# Altium PCB LoraThu.PcbDoc
Units mm, origin at the board's own origin, x right, y up, seen from the top; angles counter-clockwise.
Board outline 138.05 x 66.93 mm, 2 copper layers (Top Layer, Bottom Layer); 11 components, 21 nets, 89 pads, 16 vias.
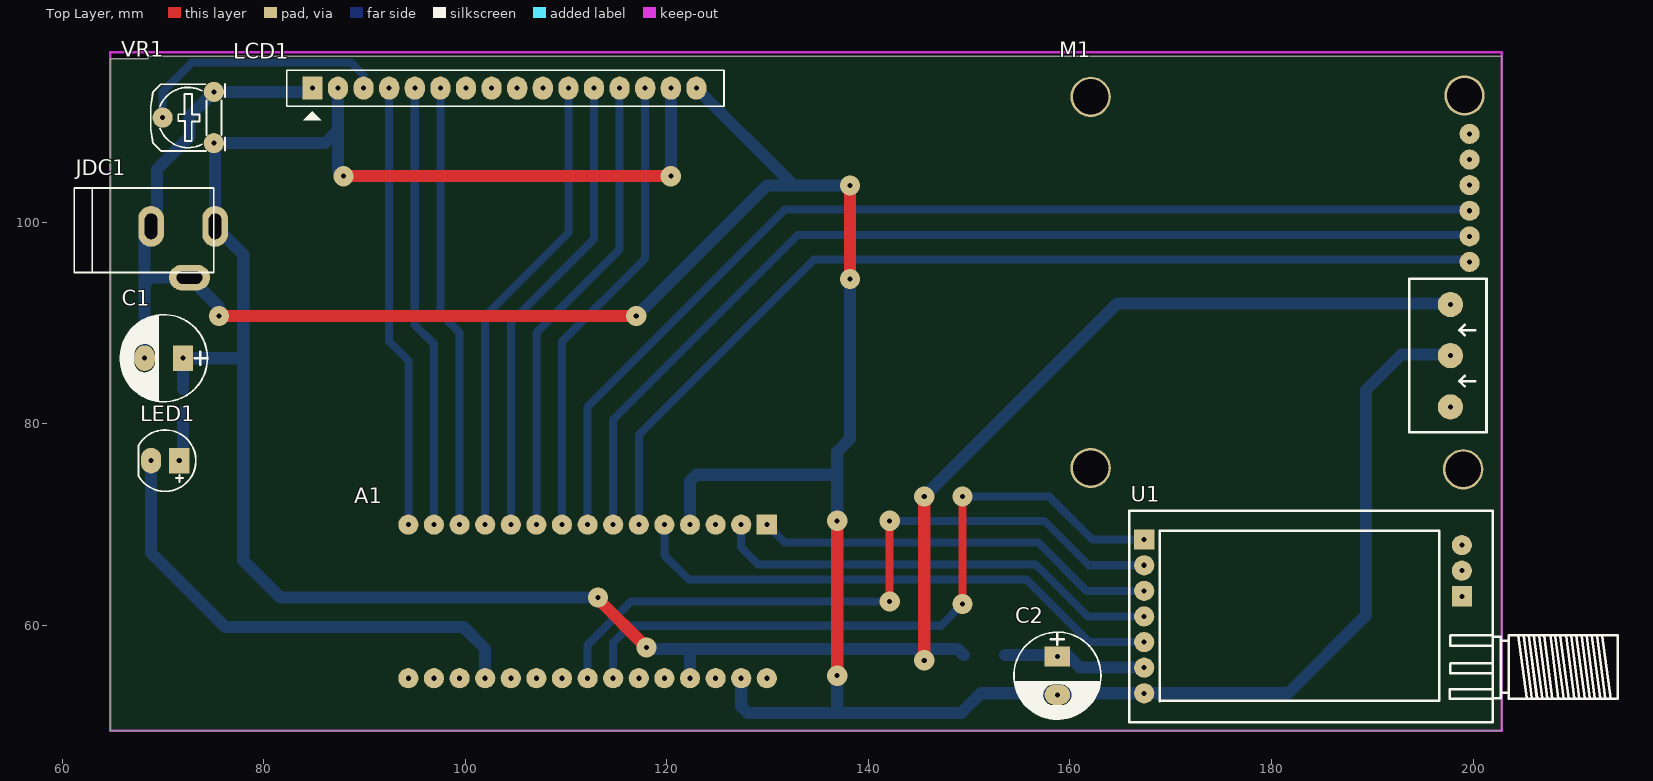
[diagram p0: Top Layer view]
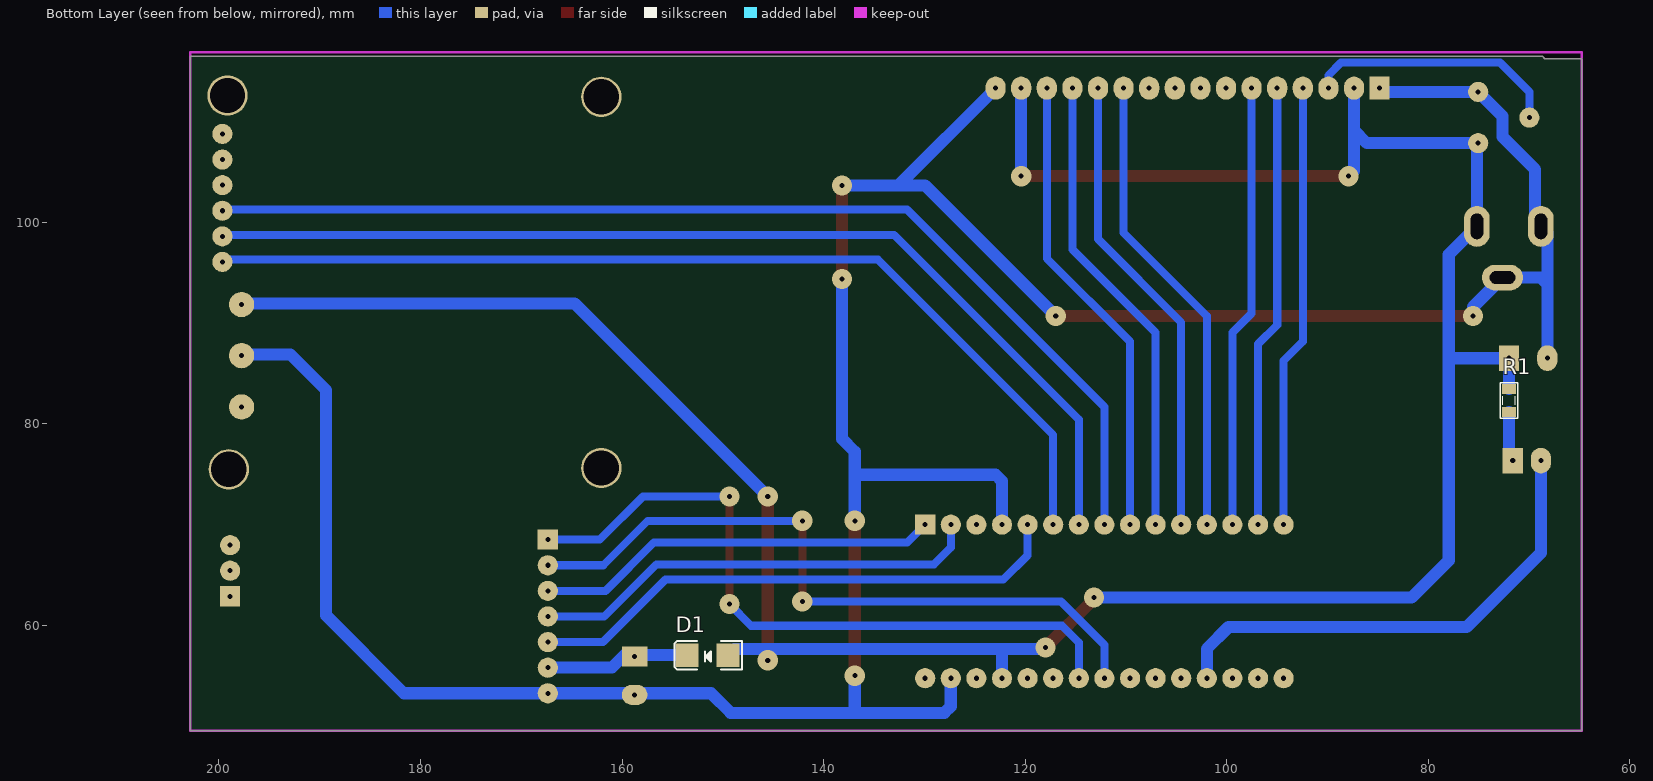
[diagram p1: Bottom Layer view, seen from below]

## Layer stack, top to bottom
Top Solder: solder mask 0.0102, Solder Resist, Dk 3.5
Top Layer: signal copper 0.0356
Dielectric 1: dielectric 0.32, FR-4, Dk 4.8
Bottom Layer: signal copper 0.0356
Bottom Solder: solder mask 0.0102, Solder Resist, Dk 3.5

## Board outline
64.77,49.53 202.819,49.53 202.819,116.459 68.707,116.459 68.453,116.205 64.77,116.205

## Design rules (kind name [scope] priority, off if disabled: settings)
Clearance [All] p1: gap=0.5 ignorepadtopadclearanceinfootprint=FALSE
PolygonConnect [All] p1: connectstyle=Relief reliefconductorwidth=0.254 reliefentries=4 polygonreliefangle="90 Angle" airgapwidth=0.254
RoutingVias [All] p1: holewidth=0.5 width=2 viastyle="Through Hole" minholewidth=0.5 minwidth=2 maxholewidth=0.5 maxwidth=2
SolderMaskExpansion [All] p1: expansion=0.102
Width [All] p1: maxlimit=1.2 minlimit=0.5 preferedwidth=0.8
30 further rules are at their usual default settings.

## Components (designator, comment, footprint, x,y, rotation, side; value= is the part's Value field where it differs from the comment)
A1 "Arduino Nano" "Arduino Nano" 131.699,76.327 r180 top
C1 "100uF/35V" CP1.5/3.4 72.009,86.487 r180 top value=100uF/35V/50V
C2 "100uF/35V" CP1.5/3.4 158.75,56.896 r270 top value=100uF/35V/50V
D1 "Diode" DIO-SMD-106 151.511,57.023 r180 bottom
JDC1 "Jack DC" DC0 72.009,97.028 r0 top
LCD1 "LCD 16x2A" LCD16X2N 84.836,113.284 r0 top value=LCD16x2A
LED1 "LED" LED-5-BLUE 70.231,76.327 r180 top
M1 "Module L298D" L298 181.61,94.488 r90 top
R1 "1k" RES-SMD-0805 72.009,82.296 r90 bottom
U1 "Lora SX1278 UART" Lora_uart_sx1278 167.362,53.245 r0 top
VR1 "10k" VR-S2 75.057,107.823 r90 top

## Footprints (in the part's own frame and the unit in brackets; to place one, negate y for a bottom-side part, rotate by r counter-clockwise, add the part's x,y. Pads: shape width x height; smd on the part's side, far side on the other; paste and mask are expansions set on the pad)
"Arduino Nano" [mm]
  rect 2x2 hole 0.5: 0(1.778,6.35)
  round 2 hole 0.5: 1(4.318,6.35) 2(6.858,6.35) 3(9.398,6.35) 4(11.938,6.35) 5(14.478,6.35) 6(17.018,6.35) 7(19.558,6.35) 8(22.098,6.35) 9(24.638,6.35) 10(27.178,6.35) 11(29.718,6.35) 12(32.258,6.35) 13(34.798,6.35) 14(37.338,6.35) 15(37.338,21.59) 16(34.798,21.59) 17(32.258,21.59) 18(29.718,21.59) 19(27.178,21.59) 20(24.638,21.59) 21(22.098,21.59) 22(19.558,21.59) 23(17.018,21.59) 24(14.478,21.59) 25(11.938,21.59) 26(9.398,21.59) 27(6.858,21.59) 28(4.318,21.59) 29(1.778,21.59)
  body extent -2.04,4.97 42.96,22.97, height 13.1
CP1.5/3.4 [mm] "Tu hoa 220->470uF,16V, 470uF/16V,25V"
  rect 2x2.54 hole 0.5: 1(0,0)
  oval 2x2.54 hole 0.5: 2(3.81,0)
  silkscreen extent -2.41,-4.32 6.22,4.32, body extent -2.16,-4 5.84,4, height 11.33
DC0 [mil] "Jac DC input"
  oval 100x160 hole 50 slot 100 at 90 deg: 1(125,100) 2(-125,100)
  oval 160x100 hole 50 slot 100 at 0 deg: 3(25,-100)
  silkscreen extent -425,-80 120,250, body extent -410,-105 134,269, height 434
DIO-SMD-106 [mil]
  rect 90x90.55 smd: 1(80,0) 2(-80,0)
  silkscreen extent -130,-55 135,55, body extent -99,-50 106,52, height 95
L298 [mm]
  round 2 hole 0.5: 1(1.549,-18.034) 2(4.089,-18.034) 3(6.629,-18.034) 4(9.169,-18.034) 5(11.709,-18.034) 6(14.249,-18.034)
  round 2.5 hole 0.5: 7(-12.827,-16.129) 8(-7.747,-16.129) 9(-2.68,-16.129)
  round 2 hole 3 unplated: GND(-19.025,-17.399) GND(17.932,19.558) GND(18.059,-17.526) ""(-18.898,19.558)
  round 4 hole 3.5: GND(-18.898,19.558) ""(-19.025,-17.399) ""(17.932,19.558) ""(18.059,-17.526)
  silkscreen extent -15.37,-19.71 -0.13,-12.06, body extent -22.22,-20.38 21.08,22.92, height 35.92
LCD16X2N [mm] "LCD dipslay 16x2, 16 pin"
  rect 2x2.286 hole 0.5: 1(0,0)
  oval 2x2.286 hole 0.5: 2(2.54,0) 3(5.08,0) 4(7.62,0) 5(10.16,0) 6(12.7,0) 7(15.24,0) 8(17.78,0) 9(20.32,0) 10(22.86,0) 11(25.4,0) 12(27.94,0) 13(30.48,0) 14(33.02,0) 15(35.56,0) 16(38.1,0)
  silkscreen extent -2.54,-3.17 40.84,1.78, body extent -8.12,-34.38 72.38,2.12, height 19.41
LED-5-BLUE [mm] "LED 2 PIN, 5 ly , Only colour, pin to pin 110mil"
  rect 2x2.54 hole 0.5: 1(-1.397,0)
  oval 2x2.54 hole 0.5: 2(1.397,0)
  silkscreen extent -3.04,-3.05 2.64,3.04, body extent -2.88,-3.06 2.54,2.96, height 8.62
Lora_uart_sx1278 [mm]
  rect 2x2 hole 0.5: 1(0,15.24) 8(31.52,9.62)
  round 2 hole 0.5: 2(0,12.7) 3(0,10.16) 4(0,7.62) 5(0,5.08) 6(0,2.54) 7(0,0) 9(31.52,12.16) 10(31.52,14.7)
  silkscreen extent -1.49,-2.86 46.98,18.11, body extent -1.49,-2.84 47.03,18.12, height 8.2
RES-SMD-0805 [mil]
  rect 39.37x55 smd: 1(-45,0) 2(45,0)
  silkscreen extent -70,-34 70,33, body extent -39,-25 39,25, height 31
VR-S2 [mm] "Resistor Variable"
  round 2 hole 0.5: 1(0,0) 2(2.54,5.08) 3(5.08,0)
  silkscreen extent -0.79,-1.12 5.87,6.25, body extent -2.21,-0.76 7.79,9.44, height 4.2

## Part data
C1 C2: library part CP3, "Cap 100uF/35V - 470uF/16V", Description 1="1000uF/6,3V - 470uF/16V - 330uF - 25V", Description 2="220uF/35V - 100uF/50V - 63V - 4,7uF/200V", Description 3="22uF => 33uF100V - 3,3uF => 4,7uF/250V", Description 4="2,2uF =>3,3uF/350 - 2,2uF/400V - 1uF/450V"
JDC1: library part JACK_DC
LCD1: library part LCD16x2A, "LCD dipslay 16 char, 2 line"
R1: library part R, "Resistor R1/4W"
VR1: library part "Resistor Var"

## Via types
v1: diameter 2, hole 0.5, Top Layer to Bottom Layer, 16 vias

## Nets (pads, with @x,y where several pads share a name; then routed paths per layer and width w, separated by ;. In a path a pad name is that pad's centre, name@x,y a point inside that pad or via, vN(x,y) a via of type N, cw(c..) or ccw(c..) an arc to the next point about the centre after c; other vN are vias at no path point)
AUX: A1.4 U1.5 | length 54.2
  Bottom Layer w0.8: A1.4 119.761,66.929 122.174,64.516 155.702,64.516 161.893,58.325 U1.5
GND: A1.3 A1.28 C1.2 C2.2 JDC1.2 JDC1.3 LCD1.1 LCD1.16 M1.8 U1.7 VR1.3 | length 303.7
  Top Layer w1.2: v1(75.565,90.678) v1(116.967,90.678) ; v1(136.906,54.991) v1(136.906,70.358) ; v1(138.176,94.361) v1(138.176,103.632)
  Bottom Layer w1.2: C1.2 68.199,93.853 ; v1(75.565,90.678) 75.565,91.567 JDC1.3 68.834,94.488 68.199,93.853 ; LCD1.1 84.455,112.903 VR1.3 72.644,110.49 72.644,108.458 69.406,105.219 69.406,100.139 JDC1.2 68.199,98.933 68.199,93.853 ; v1(116.967,90.678) 129.921,103.632 132.588,103.632 ; A1.3 122.301,74.295 122.936,74.93 136.906,74.93 ; LCD1.16 132.588,103.632 ; A1.28 127.381,51.943 128.016,51.308 136.779,51.308 ; v1(136.906,54.991) 136.906,51.435 136.779,51.308 ; v1(136.906,70.358) 136.906,74.93 ; v1(138.176,94.361) 138.176,78.486 136.906,77.216 136.906,74.93 ; v1(138.176,103.632) 132.588,103.632 ; M1.8@197.612,86.868 192.913,86.868 189.357,83.312 189.357,60.96 181.642,53.245 U1.7 151.162,53.245 149.225,51.308 136.779,51.308
M0_LORA: A1.23 U1.1 | length 70.3
  Top Layer w0.8: v1(149.352,62.103) v1(149.352,72.771)
  Bottom Layer w0.8: A1.23 114.681,58.293 116.332,59.944 147.193,59.944 v1(149.352,62.103) ; v1(149.352,72.771) 157.924,72.771 162.21,68.485 U1.1
M1_LORA: A1.22 U1.2 | length 70.1
  Top Layer w0.8: v1(142.113,62.357) v1(142.113,70.358)
  Bottom Layer w0.8: A1.22 112.141,58.039 116.459,62.357 v1(142.113,62.357) ; v1(142.113,70.358) 157.448,70.358 161.861,65.945 U1.2
NetA1_0: A1.0 U1.3 | length 40.2
  Bottom Layer w0.8: A1.0 131.699,68.199 156.845,68.199 161.639,63.405 U1.3
NetA1_1: A1.1 U1.4 | length 45.1
  Bottom Layer w0.8: A1.1 127.381,67.691 129.032,66.04 156.591,66.04 161.766,60.865 U1.4
NetA1_5: A1.5 M1.1 | length 98.4
  Bottom Layer w0.8: A1.5 117.221,78.867 134.615,96.261 199.42,96.261 M1.1@199.517,96.164
NetA1_6: A1.6 M1.2 | length 102.8
  Bottom Layer w0.8: A1.6 114.681,80.391 132.994,98.704 M1.2@199.517,98.704
NetA1_7: A1.7 M1.3 | length 107.2
  Bottom Layer w0.8: A1.7 112.141,81.661 131.724,101.244 M1.3@199.517,101.244
NetA1_8: A1.8 LCD1.14 | length 46.7
  Bottom Layer w0.8: A1.8 109.601,88.138 117.856,96.393 LCD1.14
NetA1_9: A1.9 LCD1.13 | length 46.7
  Bottom Layer w0.8: A1.9 107.061,89.027 115.316,97.282 LCD1.13
NetA1_10: A1.10 LCD1.12 | length 46.7
  Bottom Layer w0.8: A1.10 104.521,90.043 112.776,98.298 LCD1.12
NetA1_11: A1.11 LCD1.11 | length 46.7
  Bottom Layer w0.8: A1.11 101.981,90.678 110.236,98.933 LCD1.11
NetA1_12: A1.12 LCD1.6 | length 44.1
  Bottom Layer w0.8: LCD1.6 97.536,90.932 99.441,89.027 A1.12
NetA1_13: A1.13 LCD1.5 | length 44.1
  Bottom Layer w0.8: LCD1.5 94.996,89.789 96.901,87.884 A1.13
NetA1_14: A1.14 LCD1.4 | length 44.1
  Bottom Layer w0.8: LCD1.4 92.456,88.138 94.361,86.233 A1.14
NetA1_18: A1.18 LED1.2 | length 49.2
  Bottom Layer w1.2: LED1.2 68.834,67.183 76.2,59.817 99.822,59.817 101.981,57.658 A1.18
NetC2_1: C2.1 D1.2 U1.6 | length 14.3
  Bottom Layer w1.2: D1.2 159.766,57.023 161.004,55.785 U1.6
NetLCD1_3: LCD1.3 VR1.2 | length 25.5
  Bottom Layer w0.8: VR1.2 69.977,112.903 72.887,115.813 88.657,115.813 89.916,114.554 LCD1.3
NetLED1_1: LED1.1 R1.1 | length 5
  Bottom Layer w1.2: LED1.1 72.009,76.708 R1.1
VCC: A1.26 C1.1 D1.1 JDC1.1 LCD1.2 LCD1.15 M1.9 R1.2 VR1.1 | length 270.6
  Top Layer w1.2: v1(87.909,104.546) v1(120.396,104.546) ; v1(113.157,62.738) 113.157,62.611 v1(117.983,57.785) ; v1(145.542,56.515) v1(145.542,72.771)
  Bottom Layer w1.2: R1.2 C1.1 77.978,86.487 ; LCD1.2 87.376,109.093 ; v1(87.909,104.546) 87.376,105.08 87.376,109.093 ; v1(113.157,62.738) 81.661,62.738 77.978,66.421 77.978,86.487 ; v1(117.983,57.785) 118.11,57.658 122.047,57.658 ; v1(120.396,104.546) LCD1.15 ; A1.26 122.301,57.404 122.047,57.658 ; v1(145.542,56.515) 145.542,57.658 ; v1(145.542,72.771) 164.706,91.935 M1.9@197.612,91.935 ; D1.1 148.844,57.658 145.542,57.658 ; 77.978,86.487 77.978,96.774 JDC1.1 75.184,107.696 VR1.1 86.106,107.823 87.376,109.093 ; 122.047,57.658 145.542,57.658
pads on no net: A1.2 A1.15 A1.16 A1.17 A1.19 A1.20 A1.21 A1.24 A1.25 A1.27 A1.29 LCD1.7 LCD1.8 LCD1.9 LCD1.10 M1. M1.4 M1.5 M1.6 M1.7 M1.GND U1.8 U1.9 U1.10

## Keep-outs
Keep-Out Layer:
  lines w0.254: 64.77,49.53 202.819,49.53 202.819,116.84 69.088,116.84 64.77,116.84 64.77,49.53